# Altium PCB GN-1846-E-V2.PcbDoc (part 8 of 8)
Units mil, origin at the board's own origin, x right, y up, seen from the top; angles counter-clockwise.
Board outline 3750.16 x 2671.81 mil, 4 copper layers (TOP, GND, POWER, BOTTOM), stack 40.359 mil thick; 456 components, 457 nets, 2346 pads, 1495 vias.
Unrouted connection lines stored in the file: 4.
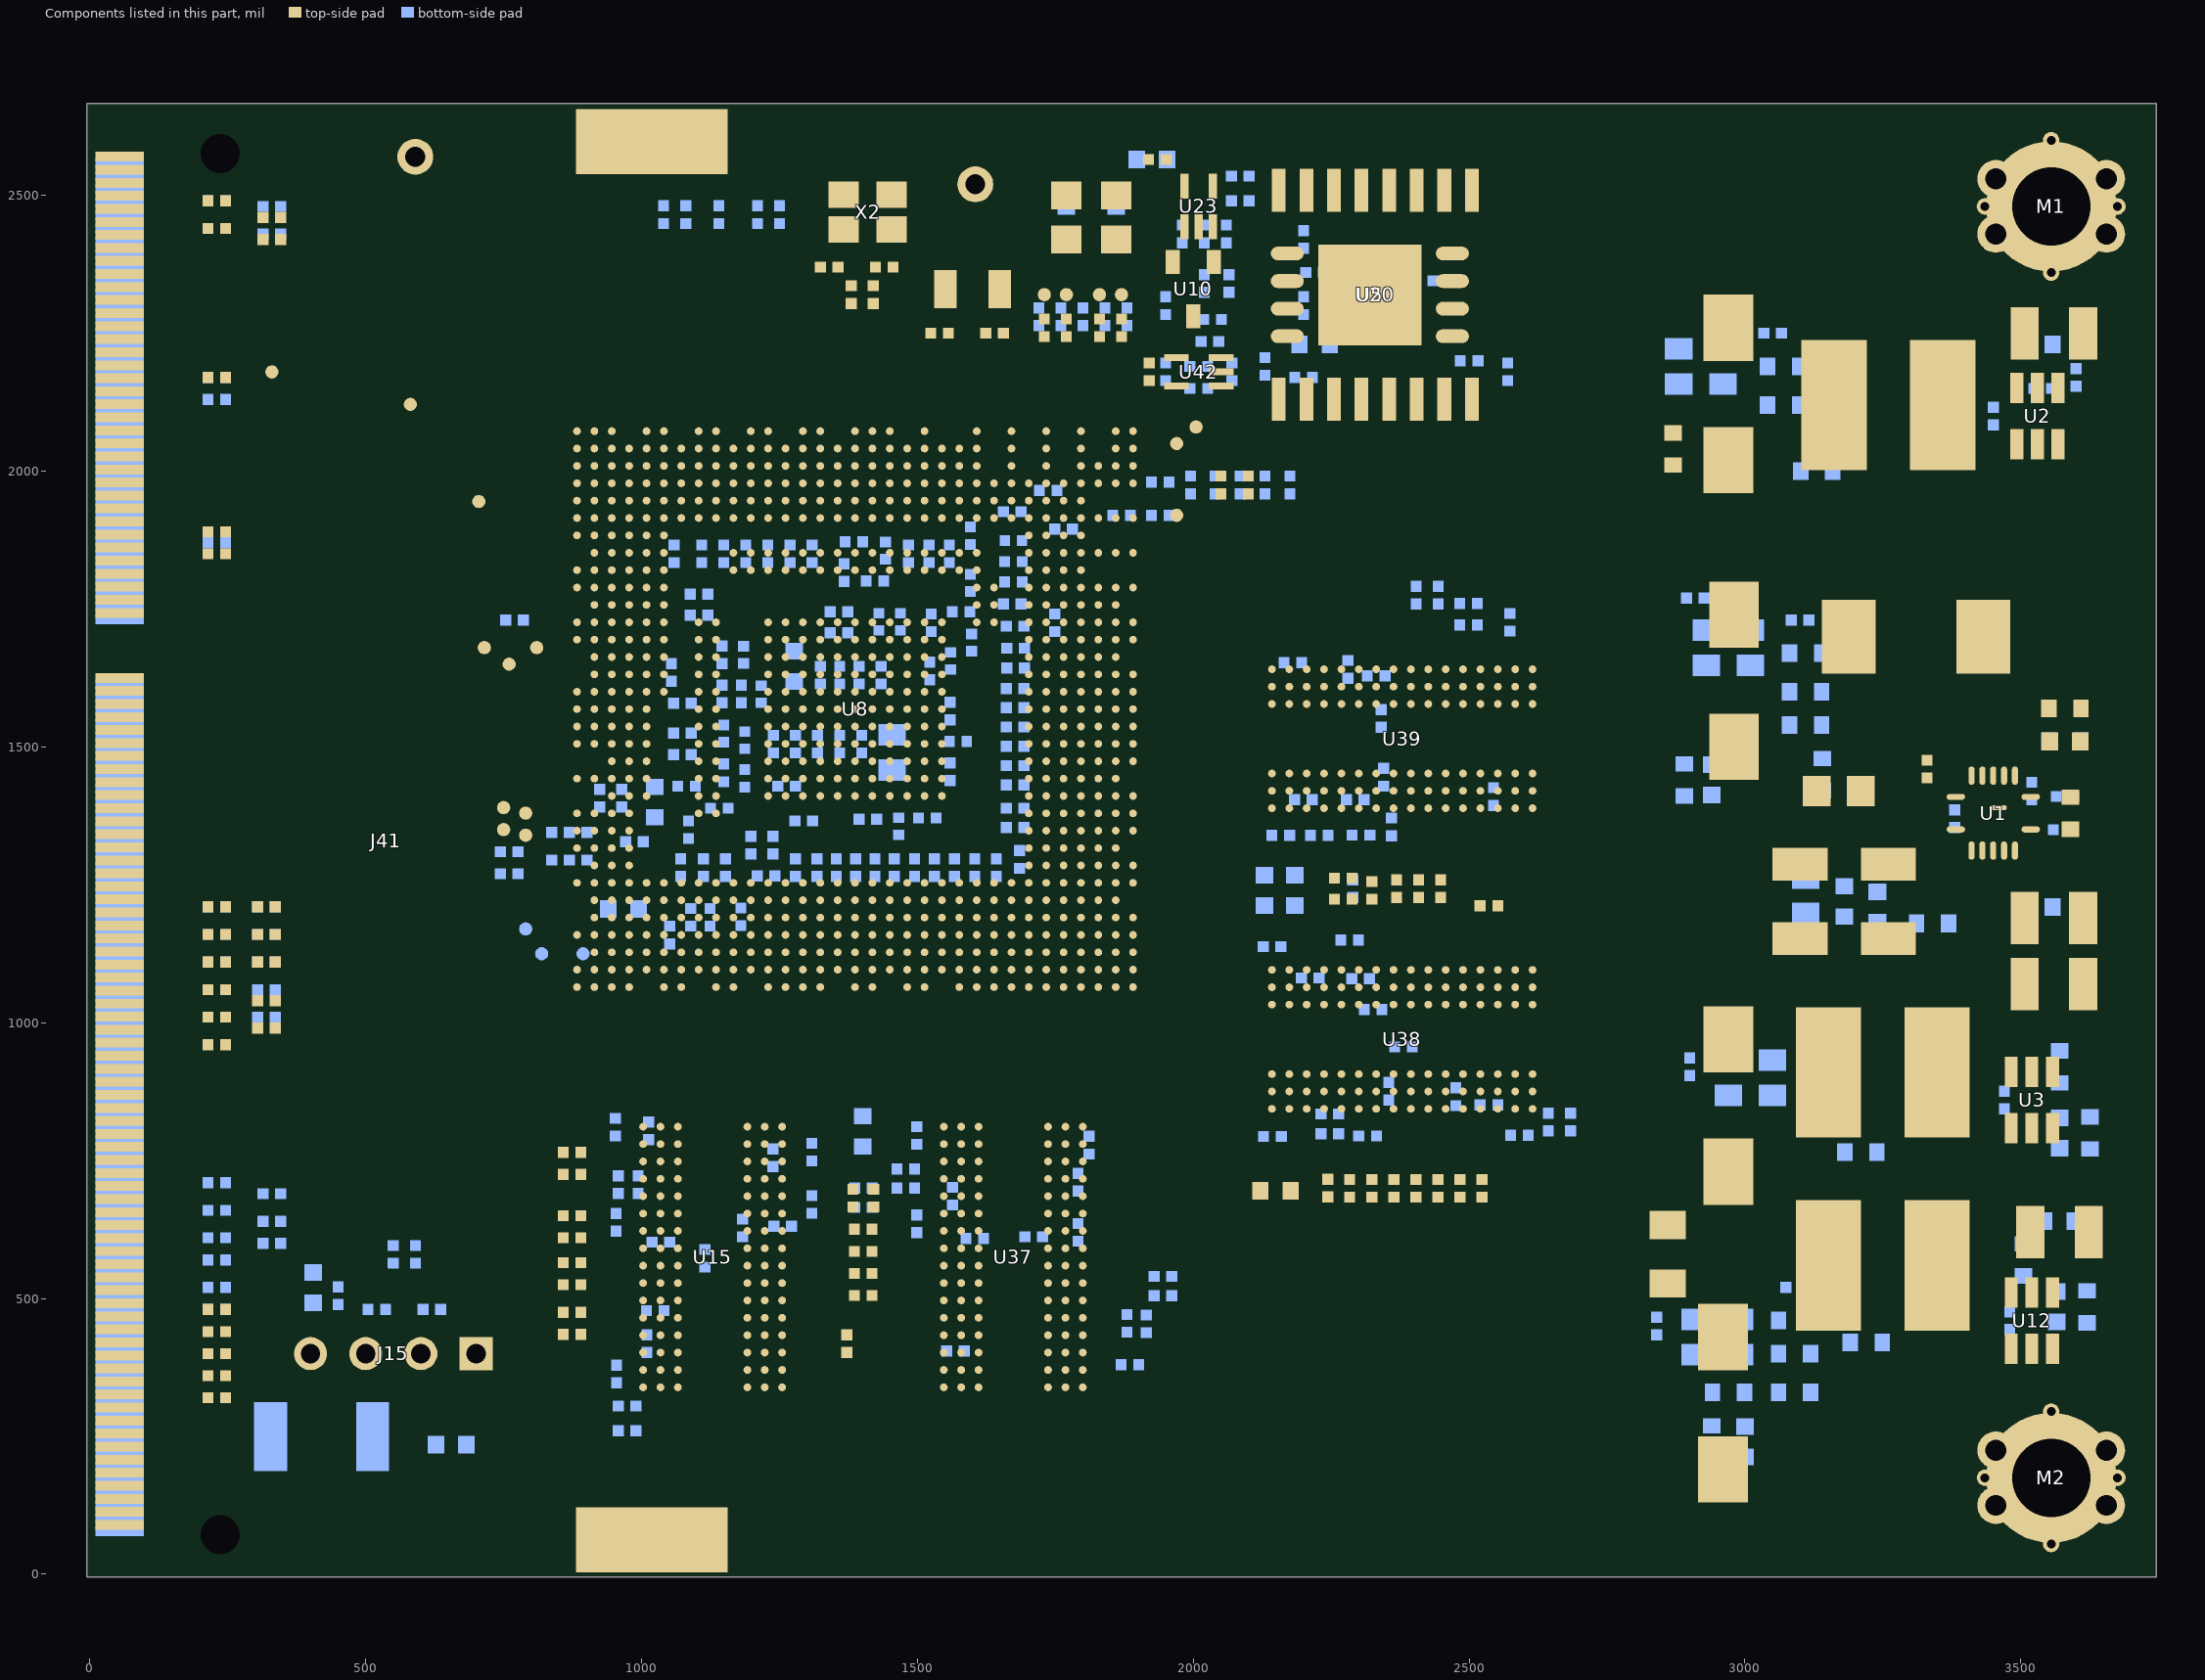
[diagram p10: the components of this part, seen from the top]

## Other copper (continued)
BOTTOM:
  region net 12V0: 3560,585 3465,585 3460,590 3460,670 3560,670 3560,585
  pour cut-out: 105,535.62 105,865 130,865 140,855 285,855 577.5,1147.5 810,1147.5 856.25,1101.25 950,1101.25 950,1060 885,1060 880,1065 800,1065 800,1041 621,1041 330,750 150,750 120,720 120,710 135,710 140,715 140,725 152.5,737.5 260,737.5 271.25,726.25 360,726.25 426.88,793.12 465,793.12 465,705 430,670 430,605 412.5,587.5 380,587.5 363.75,571.25 315,571.25 279.38,535.62 105,535.62
  region net 1V5: 2145,1195 2080,1195 2080,1240 2105,1240 2115,1230 2145,1230 2145,1195
  region net 12V0: 480,165 640,165 640,315 480,315 480,165
  region net 1V5: 2170,1280 2200,1280 2212.5,1292.5 2212.5,1305 2235,1305 2235,1250 2170,1250 2170,1280
  pour cut-out: 105,1295 284.5,1295 747,1757.5 910,1757.5 910,2105 1295,2105 1295,2140 1050,2390 425,2390 385.62,2389.38 195,2389.38 147.19,2437.19 105,2437.19 105,1295
  region net 1V5: 2915,1055 2990,1055 2990,970 3075,970 3075,910 2940,910 2940,930 2905,930 2895,940 2895,1035 2915,1055
  region net 12V0: 3445,2200 3515,2200 3515,2280 3445,2280 3445,2200
  region net 12V0: 3080,1218.75 3080,1090 3270,1090 3270,1200 3210,1200 3197.5,1212.5 3150,1212.5 3143.75,1218.75 3080,1218.75
  pour cut-out: 835,1470 1005,1470 1027.5,1492.5 1027.5,1610 1033.75,1616.25 1033.75,1695 1035,1695 1045,1705 1045,1865 1087.5,1907.5 1250,1907.5 1271.25,1886.25 1290,1886.25 1314.38,1910.62 1400,1910.62 1412.81,1897.81 1470,1897.81 1486.09,1913.91 1486.09,2125 835,2125 835,1470
  pour cut-out: 0,0 105,0 105,2660 0,2660 0,0
  pour cut-out: 360,185 480,185 480,310 360,310 360,185
  region net DVDD_CORE: 2945,1880 2945,1805 2927.5,1787.5 2927.5,1715 3085,1715 3085,1750 3035,1750 3035,1880 2945,1880
  region net 3V3: 3035,2180 3035,2270 2997.5,2307.5 2997.5,2355 2895,2355 2865,2325 2865,2205 3000,2205 3025,2180 3035,2180
  pour cut-out: 1205,1087.5 1205,1040 1012.5,847.5 1012.5,430 1026.25,416.25 1110,416.25 1134.38,440.62 1165,440.62 1180.31,425.31 1180.31,315 1230.16,265.16 1365,265.16 1457.58,172.58 1610,172.58 1621.29,161.29 1660,161.29 1674.36,175.64 1674.36,195 1752.18,272.82 1970,272.82 2101.09,403.91 2101.09,605 2028.04,678.04 2028.04,890 1824.02,1094.02 1824.02,1120 1804.51,1139.51 1815,1150 1835,1130 1850,1130 2075,905 2120,905 2120,775 2455,775 2525,845 2515,855 2515,890 2535,890 2547.5,902.5 2547.5,1020 2650,1020 2685,1055 2685,1190 2772.5,1277.5 2772.5,1515 2748.75,1538.75 2725,1538.75 2671.88,1591.88 2671.88,1605 2698.44,1631.56 2698.44,1795 2571.72,1921.72 2310,1921.72 2266.64,1878.36 2090,1878.36 1913.32,1701.68 1840,1701.68 1825.84,1715.84 1730,1715.84 1730,1310 1735,1305 1735,1265 1695,1225 1205,1225 1205,1190 1187.5,1172.5 1187.5,1105 1205,1087.5
  region net DVDD_CPU: 825,400 802.5,377.5 802.5,235 891.25,146.25 1285,146.25 1378.12,53.12 1380,55 2240,55 2655,470 3005,470 3005,555 2600,555 2150,105 1415,105 1315,205 925,205 860,270 860,400 825,400
  region net 12V0IN: 120,75 135,75 247.5,187.5 360,187.5 360,315 275,315 165,205 120,205 120,75
  region net 12V0: 3450,1230 3520,1230 3520,1135 3450,1135 3450,1230
  region net 3V3: 2560,2185 2620,2185 2642.5,2162.5 2780,2162.5 2813.75,2196.25 2900,2196.25 2900,2255 2810,2255 2767.5,2212.5 2560,2212.5 2560,2185
  text "4" at 3264,2532 h35

## Silkscreen, mask and mechanical layers (free items; w line width, h text height)
Silkscreen Top:
  circle w6: c2532.5,504.5 r7.9
  circle w6: c2520.5,316.5 r17.7
  circle w6: c2520.5,316.5 r7.9
  circle w20: c2158.06,428.7 r119.69
  lines w6: 2382.5,329.5 2557.5,504.5 ; 2385,502 2555,332 ; 2402.6,497.6 2403,473 2413,314 2413,313 2502,313 ; 2408.05,506.05 cw(c2459.78,445.05) 2447.13,524.02 ; 2417,313 2426,313 2426,296 2435,296 2435,313 2430,313 2430,296 ; 2428,515 2428,529 2429,529 ; 2447,524 2448,529 2448,517 2483,517 2483,529 2449,529 ; 2455,453 2493,453 ; 2483.96,524 cw(c2459.73,415.59) 2526.89,504.08 ; 2522,334 2527,458 ; 2525,506 2398.4,505.5 2398.4,497.6 2527,498 ; 2527,504 2529,506 2529,507 2535,507 2535,503 2531,503 2531,504 2528,506 2527,458 ; 2528,482 2546,482 2546,458 2527,458 ; 2424,513 2424,529 2433,529 2433,513 2424,513 ; 2455,448 2455,458 2493,458 2493,448 2455,448
  lines w8: 220,686 479,686 ; 228,700 472,700 ; 237,716 453,716 ; 245,733 316,733 ; 252,749 306,749 ; 263,768 295,768 ; 273,787 286,787 ; 280,802 291,802 ; 295,832 312,832 ; 298,806 288,788 288,789 288,784 313,739 317,736 323,738 327,744 325,751 318,754 311,783 319,793 ; 301,847 324,847 ; 307,822 329,851 383,872 381,876 315,876 ; 309,860 349,860 ; 319,760 347,745 ; 325,893 374,893 ; 326,785 328,773 354,756 ; 332,908 367,908 ; 338,801 347,805 367,785 ; 360,769 351,745 347,744 344,742 343,737 345,732 348,728 357,727 382,758 ; 365,733 417,733 ; 406,787 429,787 ; 409,800 421,800 ; 409,826 403,810 405,793 403,783 393,770 399,769 436,769 ; 422,754 444,754 ; 212,673 488,673 350,948 212,673 ; 283,815 467,711 453,735 290,827 283,815
  lines w20: 2082.57,346.85 2238.67,502.95
  text "Pb" at 2075,370 h180
  text "Name:GN-1846-E" at 1515,200 h35
  text "Ver:2.0" at 1515,125 h35
  text "11/06/2017" at 1515,50 h35
Silkscreen Bottom:
  lines w10: 260,1910 260,1990 290,1990 290,2100 440,2100 440,2420 620,2420 620,2440 930,2440 930,2530 990,2530 990,1930 650,1930 650,1800 380,1800 380,1910 260,1910 ; 620,620 860,620 860,1020 620,1020 620,620 ; 950,1305 950,1360 995,1360 995,1455 1115,1455 1115,1735 1305,1735 1305,1780 1575,1780 1575,1845 1620,1845 1620,1330 1260,1330 1260,1240 1040,1240 1040,1305 950,1305 ; 1370,2190 1680,2190 1680,2650 1370,2650 1370,2190 ; 2140,20 2540,20 2540,710 2140,710 2140,20 ; 2810,1100 3010,1100 3010,1340 2810,1340 2810,1100 ; 3250,1620 3720,1620 3720,2010 3250,2010 3250,1620
  text "A" at 590,2450 h35
  text "A" at 1290,1740 h35
Solder Mask Top:
  drawing of 188 lines, arcs and shapes, not listed
Solder Mask Bottom:
  drawing of 94 lines, arcs and shapes, not listed